# Altium PCB fNIRS_PCB.PcbDoc (part 3 of 3)
Units mil, origin at the board's own origin, x right, y up, seen from the top; angles counter-clockwise.
Board outline 4409.45 x 4409.45 mil, 4 copper layers (Top Layer, Mid Layer 1, Mid Layer 2, Bottom Layer), stack 61.811 mil thick; 194 components, 178 nets, 730 pads, 742 vias.
Unrouted connection lines stored in the file: 493.
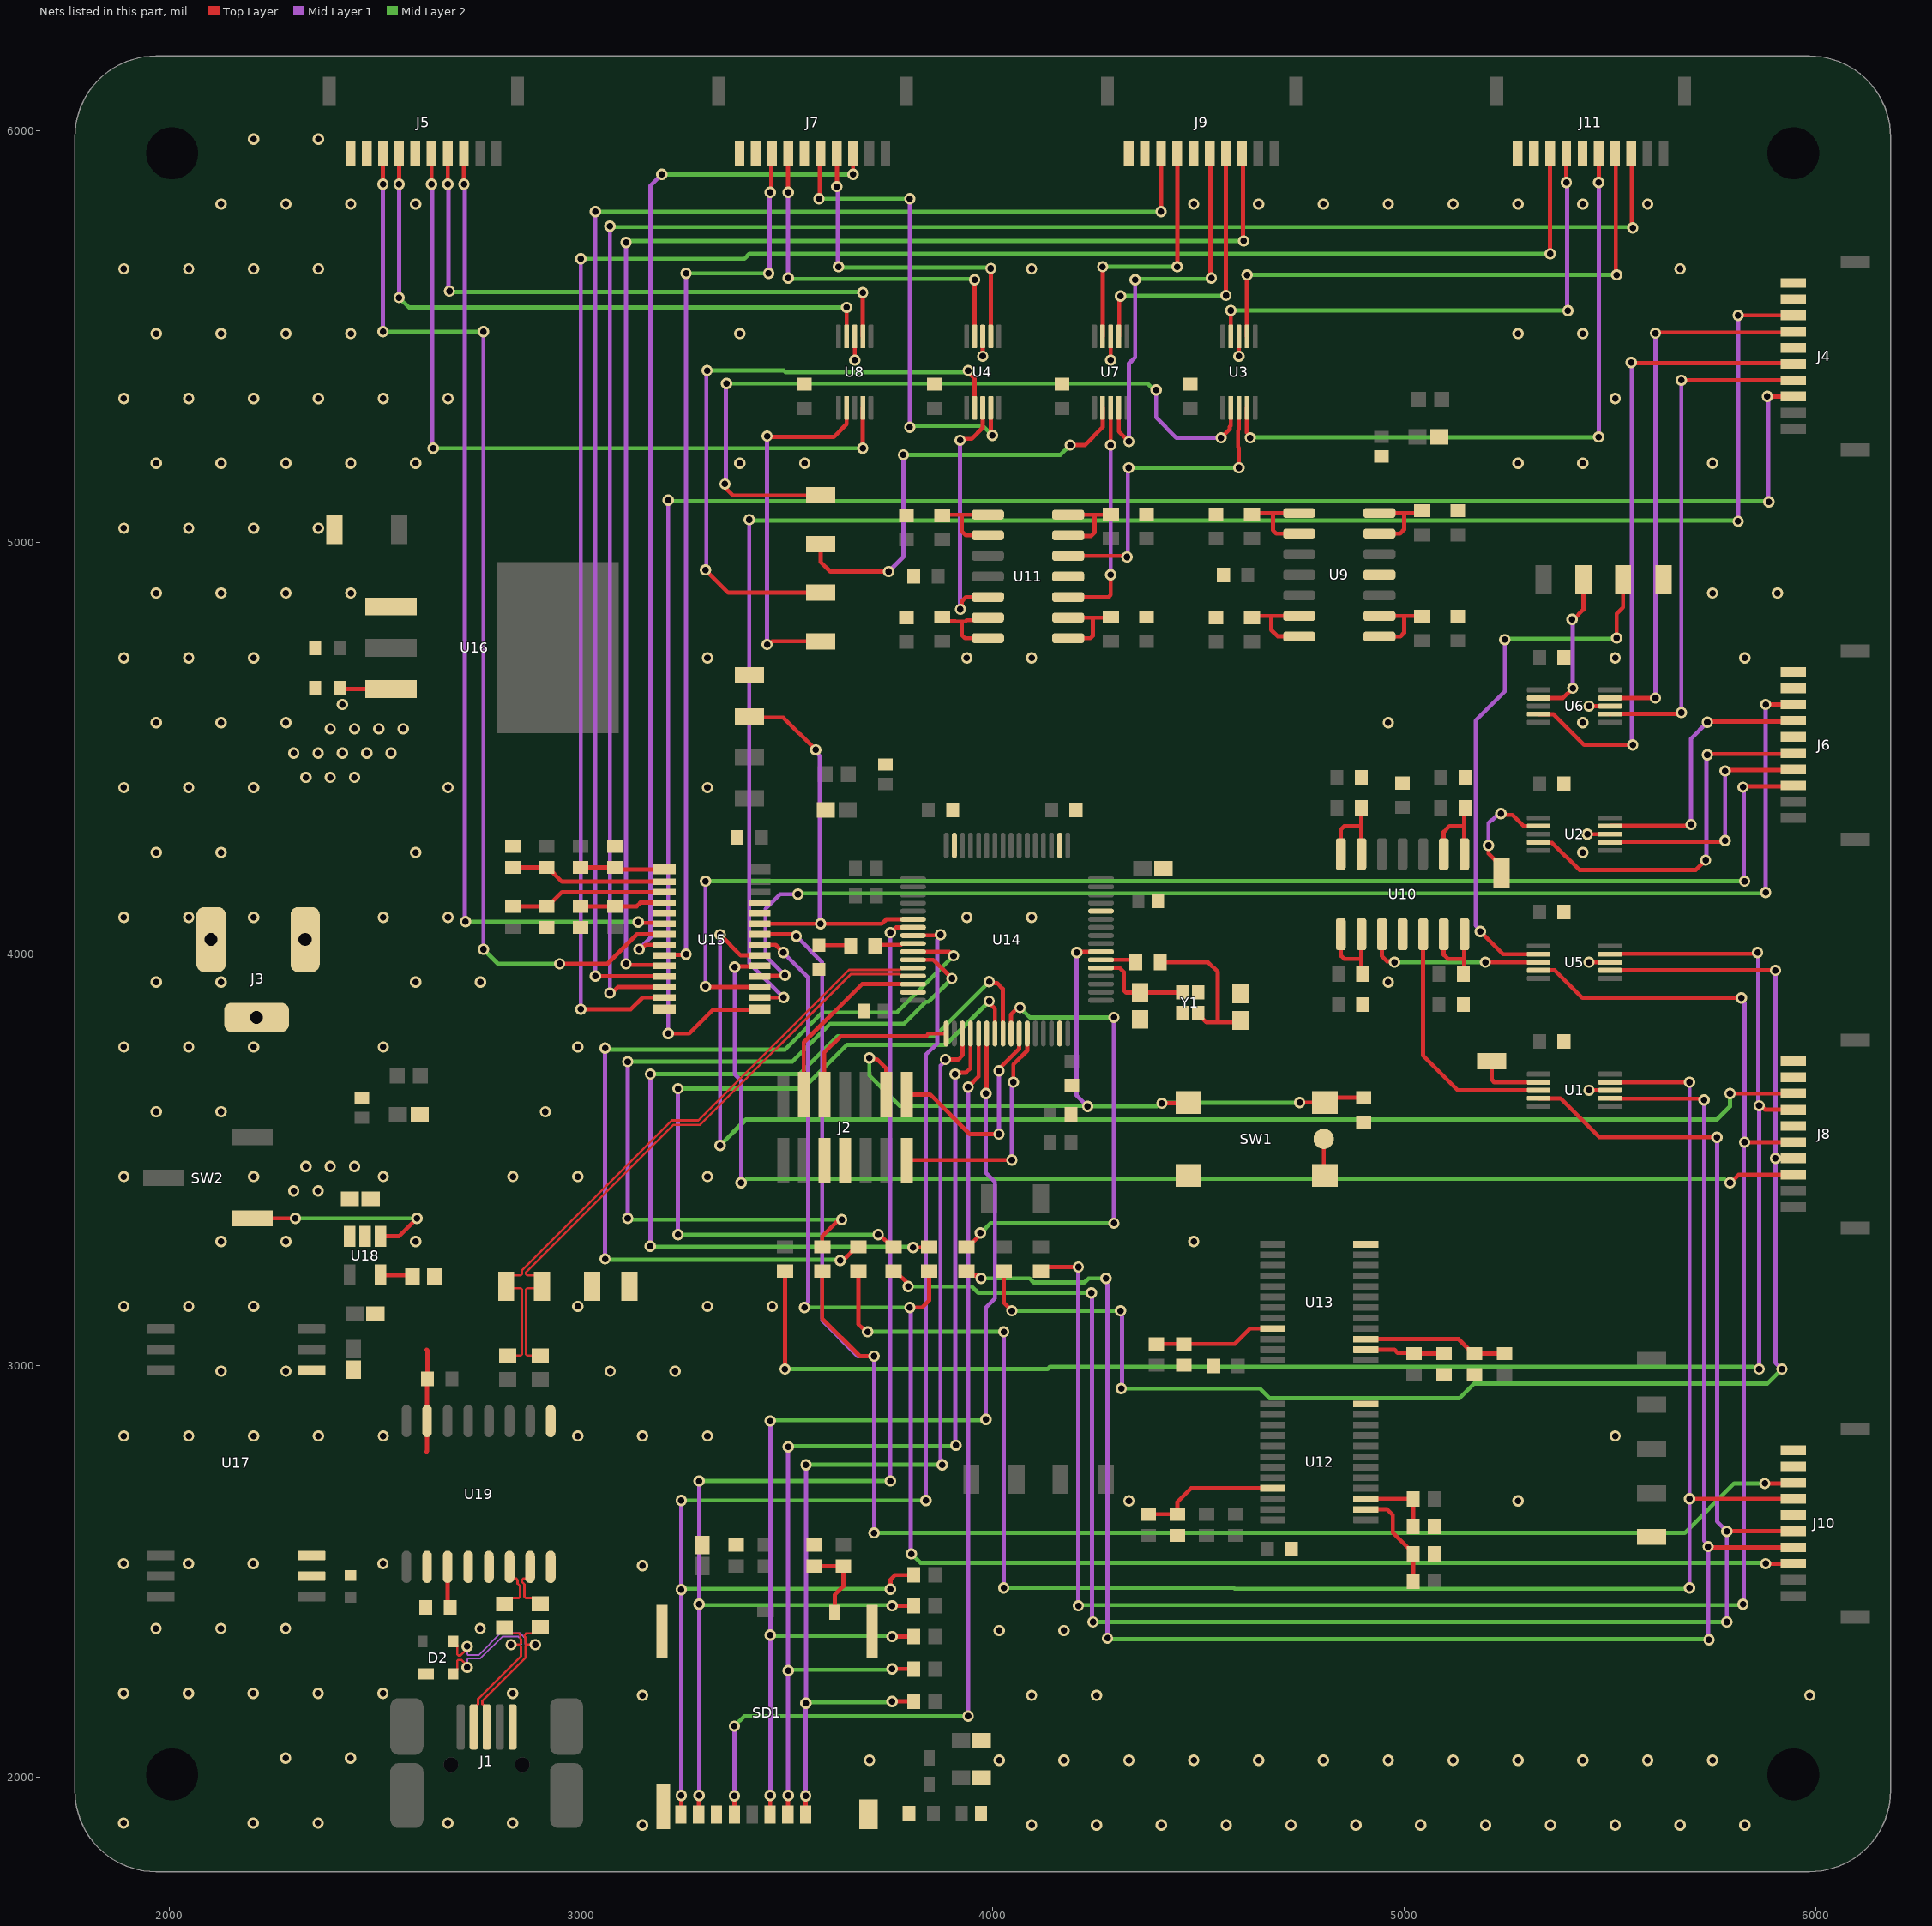
[diagram p5: the nets of this part, all layers, seen from the top]

## Via types
v1: diameter 27.56, hole 15.75, Top Layer to Bottom Layer, tented both sides, 741 vias
v2: diameter 31.5, hole 19.68, Top Layer to Bottom Layer, tented both sides, 1 vias

## Nets (pads, with @x,y where several pads share a name; then routed paths per layer and width w, separated by ;. In a path a pad name is that pad's centre, name@x,y a point inside that pad or via, vN(x,y) a via of type N, cw(c..) or ccw(c..) an arc to the next point about the centre after c; other vN are vias at no path point) (continued)
INB_U_Buffer3: U4.8 U11.5 | length 616
  Top Layer w10: v1(3921.26,5248.03) 3924.62,5251.39 3949.68,5251.39 3976.38,5278.09 U4.8@3976.38,5326.77 ; v1(3922.07,4837.6) 3925.43,4840.96 3925.43,4857.36 3935.39,4867.32 U11.5@3989.17,4867.32
  Mid Layer 1 w10: v1(3921.26,5248.03) 3921.26,4838.4 v1(3922.07,4837.6)
INC_U_Buffer2: U5.8 U10.10 | length 440.1
  Top Layer w10: U10.10@4946.06,4048.23 4946.06,3994.88 4958.15,3982.79 4973.9,3982.79 v1(4976.38,3980.32) ; v1(5196.85,3980.32) U5.8@5326.77,3980.32
  Mid Layer 2 w10: v1(4976.38,3980.32) v1(5196.85,3980.32)
INC_U_Buffer3: U7.8 U11.10 | length 560.2
  Top Layer w10: U11.10@4184.06,4867.32 4184.65,4866.73 4281.54,4866.73 4287.4,4872.59 v1(4287.4,4921.26) ; v1(4287.4,5236.22) U7.8@4287.4,5326.77
  Mid Layer 1 w10: v1(4287.4,4921.26) v1(4287.4,5236.22)
IND_U_Buffer2: U1.8 U10.12 | length 610.5
  Top Layer w10: U10.12@5046.06,4048.23 5046.06,3753.15 5129.92,3669.29 5263.78,3669.29 U1.8@5326.77,3669.29
IND_U_Buffer3: U3.8 U11.12 | length 777.1
  Top Layer w10: U11.12@4184.06,4967.32 4324.02,4967.32 v1(4326.77,4964.57) ; v1(4598.43,5181.1) 4598.42,5229.79 4596.38,5231.84 4596.38,5272.41 4598.42,5274.46 U3.8@4598.42,5326.77
  Mid Layer 1 w10: v1(4326.77,4964.57) 4328.74,4966.54 4328.74,5179.13 v1(4330.71,5181.1)
  Mid Layer 2 w10: v1(4330.71,5181.1) v1(4598.43,5181.1)
MCU_GND: C1.2 C2.2 C3.2 C4.2 C5.2 C6.2 C7.2 C8.2 C9.1 C10.1 C11.1 C12.1 C13.1 C14.1 C15.1 C16.1 C17.1 C18.1 C19.1 C20.1 C21.1 C22.1 C23.1 C24.2 C25.2 C26.2 C27.2 C28.2 C29.2 C30.2 C31.2 C32.2 C33.2 C34.2 C35.2 C37.2 C38.2 C39.2 C40.2 C41.2 C42.2 C43.2 C44.2 C45.2 C46.2 C47.2 C48.2 C49.2 C51.2 D1.1 J2.5 J2.7 J3.2 J3.3 J4.06 J4.09 J4.10 J5.06 J5.09 J5.10 J6.06 J6.09 J6.10 J7.06 J7.09 J7.10 J8.06 J8.09 J8.10 J9.06 J9.09 J9.10 J10.06 J10.09 J10.10 J11.06 J11.09 J11.10 R18.1 R19.1 R20.1 R24.1 R25.1 R26.1 R32.1 R39.1 R40.1 R41.1 R42.1 R43.1 R51.1 R52.1 R55.1 R56.1 R58.1 SD1.6 SD1.11 SD1.12 SD1.13 SD1.14 SW1.3 SW1.4 SW1.5 TP13.1 TP21.1 TP30.1 TP31.1 TP32.1 TP33.1 U1.3 U2.3 U3.3 U4.3 U5.3 U6.3 U7.3 U8.3 U9.11 U10.11 U11.11 U12.12 U13.12 U14.12 U14.18 U14.31 U14.47 U14.63 U15.5 U15.14 U15.24 U15.25 U16.1 U17.12 U18.2 U19.9 U19.15 Y1.2 Y1.4 | length 758.6
  Top Layer w10: 2625.98,2791.34 2625.98,2792.32 2626.97,2793.31 U19.15@2626.97,2866.14 2626.97,2967.52 C51.2@2627.95,2968.5 2627.95,3037.4 2625.98,3039.37 ; v1(3665.35,5442.64) U8.3@3665.35,5500 ; v1(3976.38,5452.01) U4.3@3976.38,5500 ; v1(4287.4,5442.64) U7.3@4287.4,5500 ; v1(4598.42,5452.01) U3.3@4598.42,5500 ; SW1.5@4804.67,3551.18 4804.67,3465.31 SW1.4@4807.28,3462.7 ; v1(5444.88,4291.34) U2.3@5500,4291.34 ; v1(5448.82,3669.29) U1.3@5500,3669.29 ; v1(5448.82,3980.32) U5.3@5500,3980.32 ; v1(5448.82,4602.36) U6.3@5500,4602.36
  other v1: 3150.33,1884.81 4095.21,1884.81 4252.69,1884.81 4410.17,1884.81 4567.65,1884.81 4725.13,1884.81 4882.61,1884.81 5040.09,1884.81 5197.57,1884.81 5355.05,1884.81 5512.53,1884.81 5670.01,1884.81 5827.49,1884.81 3701.51,2042.29 4016.47,2042.29 4173.95,2042.29 4331.43,2042.29 4488.91,2042.29 4646.39,2042.29 4803.87,2042.29 4961.35,2042.29 5118.83,2042.29 5276.31,2042.29 5433.79,2042.29 5591.27,2042.29 5748.75,2042.29 3150.33,2199.77 4095.21,2199.77 4252.69,2199.77 5984.97,2199.77 4016.47,2357.25 4173.95,2357.25 3150.33,2514.73 4331.43,2672.21 5276.31,2672.21 1890.48,2829.69 2047.96,2829.69 2205.44,2829.69 2362.92,2829.69 2520.4,2829.69 2992.84,2829.69 3150.33,2829.69 3307.81,2829.69 5512.53,2829.69 2126.7,2987.17 2284.18,2987.17 3071.58,2987.17 3229.07,2987.17 1890.48,3144.65 2047.96,3144.65 2205.44,3144.65 2992.84,3144.65 3307.81,3144.65 3465.29,3144.65 2126.7,3302.13 2284.18,3302.13 2599.14,3302.13 4488.91,3302.13 1890.48,3459.61 2205.44,3459.61 2520.4,3459.61 2835.36,3459.61 2992.84,3459.61 3307.81,3459.61 1969.22,3617.09 2126.7,3617.09 2914.1,3617.09 1890.48,3774.57 2047.96,3774.57 2205.44,3774.57 2520.4,3774.57 2992.84,3774.57 1969.22,3932.05 2126.7,3932.05 2599.14,3932.05 2756.62,3932.05 4961.35,3932.05 1890.48,4089.53 2047.96,4089.53 2205.44,4089.53 2520.4,4089.53 2677.88,4089.53 3937.73,4089.53 4095.21,4089.53 1969.22,4247.02 2126.7,4247.02 2599.14,4247.02 5433.79,4247.02 1890.48,4404.5 2047.96,4404.5 2205.44,4404.5 2677.88,4404.5 3307.81,4404.5 1969.22,4561.98 2126.7,4561.98 2284.18,4561.98 4961.35,4561.98 5433.79,4561.98 1890.48,4719.46 2047.96,4719.46 2205.44,4719.46 3307.81,4719.46 3937.73,4719.46 4095.21,4719.46 5512.53,4719.46 5827.49,4719.46 1969.22,4876.94 2126.7,4876.94 2284.18,4876.94 2441.66,4876.94 5748.75,4876.94 5906.23,4876.94 1890.48,5034.42 2047.96,5034.42 2205.44,5034.42 2362.92,5034.42 1969.22,5191.9 2126.7,5191.9 2284.18,5191.9 2441.66,5191.9 2599.14,5191.9 3386.55,5191.9 3544.03,5191.9 5276.31,5191.9 5433.79,5191.9 5748.75,5191.9 1890.48,5349.38 2047.96,5349.38 2205.44,5349.38 2362.92,5349.38 2520.4,5349.38 2677.88,5349.38 5512.53,5349.38 1969.22,5506.86 2126.7,5506.86 2284.18,5506.86 2441.66,5506.86 3386.55,5506.86 5276.31,5506.86 5433.79,5506.86 1890.48,5664.34 2047.96,5664.34 2205.44,5664.34 2362.92,5664.34 4095.21,5664.34 5670.01,5664.34 2126.7,5821.82 2284.18,5821.82 2441.66,5821.82 2599.14,5821.82 4488.91,5821.82 4646.39,5821.82 4803.87,5821.82 4961.35,5821.82 5118.83,5821.82 5276.31,5821.82 5433.79,5821.82 5591.27,5821.82 2205.44,5979.3 2362.92,5979.3
MCU_TEST_LED: R34.1 U14.41 | length 92
  Top Layer w10: R34.1@3716.54,4023.62 3717.31,4022.84 3778.26,4022.84 3781.01,4025.59 U14.41@3807.09,4025.59
MUX_IN1_0: J5.04 U8.2 | length 1448.1
  Top Layer w10: v1(2677.17,5870.08) J5.04@2677.17,5944.88 ; U8.2@3685.04,5500 v1(3685.04,5606.3)
  Mid Layer 1 w10: v1(2677.17,5870.08) 2679.13,5868.11 2679.13,5612.2 v1(2681.1,5610.24)
  Mid Layer 2 w10: v1(2681.1,5610.24) 2683.07,5608.27 3683.07,5608.27 v1(3685.04,5606.3)
MUX_IN1_1: J7.04 U4.2 | length 814.2
  Top Layer w10: v1(3622.05,5864.09) J7.04@3622.05,5944.88 ; U4.2@3996.06,5500 v1(3996.06,5665.35)
  Mid Layer 1 w10: v1(3622.05,5864.09) 3624.02,5862.13 3624.02,5671.34 v1(3625.98,5669.37)
  Mid Layer 2 w10: v1(3625.98,5669.37) 3627.95,5667.4 3994.02,5667.4 v1(3996.06,5665.35)
MUX_IN1_2: J9.04 U7.2 | length 701.6
  Top Layer w10: U7.2@4307.09,5500 4307.99,5500.91 4307.99,5595.39 v1(4311.02,5598.43) ; v1(4566.93,5599.81) J9.04@4566.93,5944.88
  Mid Layer 2 w10: v1(4311.02,5598.43) 4311.57,5598.97 4566.08,5598.97 v1(4566.93,5599.81)
MUX_IN1_3: J11.04 U3.2 | length 1344.2
  Top Layer w10: U3.2@4618.11,5500 v1(4618.11,5649.61) ; J11.04@5511.81,5944.88 5513.78,5942.91 5513.78,5651.57 v1(5515.75,5649.61)
  Mid Layer 2 w10: v1(4618.11,5649.61) v1(5515.75,5649.61)
MUX_IN1_4: J4.04 U6.2 | length 1253.6
  Top Layer w10: U6.2@5500,4582.68 5500.91,4583.58 5670.2,4583.58 v1(5673.23,4586.61) ; v1(5673.23,5393.7) J4.04@5944.88,5393.7
  Mid Layer 1 w10: v1(5673.23,4586.61) v1(5673.23,5393.7)
MUX_IN1_5: J6.04 U2.2 | length 617.4
  Top Layer w10: U2.2@5500,4271.65 5500.91,4272.56 5776.5,4272.56 v1(5779.53,4275.59) ; v1(5779.53,4444.88) 5781.5,4446.85 5942.91,4446.85 J6.04@5944.88,4448.82
  Mid Layer 1 w10: v1(5779.53,4275.59) v1(5779.53,4444.88)
MUX_IN1_6: J8.04 R63.1 U5.2 | length 3623.3
  Top Layer w10: R63.1@4027.56,3230.31 4027.56,3153.54 v1(4047.24,3133.86) ; U5.2@5500,3960.63 v1(5901.57,3960.63) ; v1(5901.57,3503.94) J8.04@5944.88,3503.94
  Mid Layer 1 w10: v1(4311.02,3133.86) 4314.38,3130.5 4314.38,3119.8 4314.96,3119.22 4314.96,2946.93 v1(4312.91,2944.88) ; v1(5901.57,3960.63) v1(5901.57,3503.94) 5901.57,3007.87 v1(5917.32,2992.13)
  Mid Layer 2 w10: v1(4047.24,3133.86) v1(4311.02,3133.86) ; v1(4312.91,2944.88) 4649.61,2944.88 4673.23,2921.26 5133.86,2921.26 5169.29,2956.69 5881.89,2956.69 v1(5917.32,2992.13)
MUX_IN1_7: J10.04 R67.1 U1.2 | length 4445.4
  Top Layer w10: R67.1@3937.01,3230.31 3947.76,3219.57 3965.47,3219.57 v1(3972.44,3212.6) ; U1.2@5500,3649.61 5500.91,3648.7 5725.31,3648.7 v1(5728.35,3645.67) ; v1(5738.19,2561.02) 5740.16,2559.06 J10.04@5944.88,2559.06
  Mid Layer 1 w10: v1(4275.59,3212.6) 4278.95,3209.24 4278.95,3198.54 4279.53,3197.96 v1(4279.53,2338.58) ; v1(5728.35,3645.67) 5728.35,2575.62 5738.19,2565.78 5738.19,2336.61 v1(5740.16,2334.65)
  Mid Layer 2 w10: v1(3972.44,3212.6) 4090.16,3212.6 4100.08,3202.68 4223.8,3202.68 4233.72,3212.6 v1(4275.59,3212.6) ; v1(4279.53,2338.58) 4281.5,2336.61 5738.19,2336.61 v1(5740.16,2334.65)
MUX_IN2_0: J5.05 U8.9 | length 1859.9
  Top Layer w10: v1(2637.8,5870.08) J5.05@2637.8,5944.88 ; v1(3685.04,5228.35) U8.9@3685.04,5326.77
  Mid Layer 1 w10: v1(2637.8,5870.08) 2639.76,5868.11 2639.76,5230.31 v1(2641.73,5228.35)
  Mid Layer 2 w10: v1(2641.73,5228.35) v1(3685.04,5228.35)
MUX_IN2_1: J7.05 U4.9 | length 1167.6
  Top Layer w10: v1(3578.74,5834.65) 3580.71,5836.61 3580.71,5942.91 J7.05@3582.68,5944.88 ; U4.9@3996.06,5326.77 3996.06,5268.53 4000,5264.59 v1(4000,5259.84)
  Mid Layer 1 w10: v1(3799.21,5279.53) v1(3799.21,5834.65)
  Mid Layer 2 w10: v1(3578.74,5834.65) 3609.63,5834.65 3609.78,5834.49 3700.36,5834.49 3700.52,5834.65 v1(3799.21,5834.65) ; v1(3799.21,5279.53) 3802.24,5282.56 3977.28,5282.56 v1(4000,5259.84)
MUX_IN2_2: J9.05 U7.9 | length 982.7
  Top Layer w10: U7.9@4307.09,5326.77 4307.09,5269.15 v1(4331.43,5244.81) ; J9.05@4527.56,5944.88 4529.53,5942.91 4529.53,5643.7 v1(4531.5,5641.73)
  Mid Layer 1 w10: v1(4331.43,5244.81) 4331.43,5434.2 4346.46,5449.23 v1(4346.46,5637.87)
  Mid Layer 2 w10: v1(4346.46,5637.87) 4348.27,5639.68 4529.45,5639.68 v1(4531.5,5641.73)
MUX_IN2_3: J11.05 U3.9 | length 1612.5
  Top Layer w10: U3.9@4618.11,5326.77 4618.11,5266.48 4625.98,5258.61 v1(4625.98,5253.86) ; v1(5472.44,5874.02) J11.05@5472.44,5944.88
  Mid Layer 1 w10: v1(5472.44,5255.91) v1(5472.44,5874.02)
  Mid Layer 2 w10: v1(4625.98,5253.86) 4627.01,5254.88 5471.42,5254.88 v1(5472.44,5255.91)
MUX_IN2_4: J4.05 U6.9 | length 1585.4
  Top Layer w10: U6.9@5326.77,4582.68 5362.2,4582.68 5437.01,4507.87 v1(5555.12,4507.87) ; v1(5551.18,5437.01) 5553.15,5435.04 5942.91,5435.04 J4.05@5944.88,5433.07
  Mid Layer 1 w10: v1(5551.18,5437.01) 5553.15,5435.04 5553.15,4509.84 v1(5555.12,4507.87)
MUX_IN2_5: J6.05 U2.9 | length 910.8
  Top Layer w10: U2.9@5326.77,4271.65 5327.68,4270.75 5359.17,4270.75 5425.2,4204.72 5708.66,4204.72 v1(5732.28,4228.35) ; v1(5736.22,4484.25) 5738.19,4486.22 5942.91,4486.22 J6.05@5944.88,4488.19
  Mid Layer 1 w10: v1(5732.28,4228.35) 5734.25,4230.31 5734.25,4482.28 v1(5736.22,4484.25)
MUX_IN2_6: J8.05 R64.1 U5.9 | length 4648.6
  Top Layer w10: R64.1@4118.11,3230.31 4127.95,3240.16 v1(4208.66,3240.16) ; U5.9@5326.77,3960.63 5366.14,3960.63 5433.07,3893.7 v1(5818.9,3893.7) ; v1(5826.77,3543.31) J8.05@5944.88,3543.31
  Mid Layer 1 w10: v1(4208.66,2417.32) v1(4208.66,3240.16) ; v1(5818.9,3893.7) 5818.9,3888.95 5826.77,3881.08 v1(5826.77,3543.31) 5824.8,3541.34 5824.8,2423.23 v1(5822.83,2421.26)
  Mid Layer 2 w10: v1(4208.66,2417.32) 4210.63,2419.29 5820.87,2419.29 v1(5822.83,2421.26)
MUX_IN2_7: J10.05 R68.1 U1.9 | length 4666.6
  Top Layer w10: R68.1@3759.84,3230.31 3763.78,3230.31 3795.28,3198.82 v1(3795.28,3192.91) ; U1.9@5326.77,3649.61 5379.39,3649.61 5473.88,3555.12 v1(5759.84,3555.12) ; v1(5783.46,2598.43) J10.05@5944.88,2598.43
  Mid Layer 1 w10: v1(4240.16,3177.17) 4242.13,3175.2 4242.13,2379.92 v1(4244.09,2377.95) ; v1(5759.84,3555.12) 5759.84,2622.22 5783.46,2598.6 v1(5783.46,2377.95)
  Mid Layer 2 w10: v1(3795.28,3192.91) 3950.26,3192.91 3966,3177.17 v1(4240.16,3177.17) ; v1(4244.09,2377.95) v1(5783.46,2377.95)
MUX_IN3_0: J5.07 U8.4 | length 1517.7
  Top Layer w10: v1(2559.06,5870.08) J5.07@2559.06,5944.88 ; U8.4@3645.67,5500 v1(3645.67,5570.87)
  Mid Layer 1 w10: v1(2559.06,5594.49) v1(2559.06,5870.08)
  Mid Layer 2 w10: v1(2559.06,5594.49) 2582.68,5570.87 v1(3645.67,5570.87)
MUX_IN3_1: J7.07 U4.4 | length 895.3
  Top Layer w10: v1(3503.94,5850.39) J7.07@3503.94,5944.88 ; U4.4@3956.69,5500 v1(3956.69,5637.8)
  Mid Layer 1 w10: v1(3503.94,5641.73) v1(3503.94,5850.39)
  Mid Layer 2 w10: v1(3503.94,5641.73) 3505.91,5639.76 3954.72,5639.76 v1(3956.69,5637.8)
MUX_IN3_2: J9.07 U7.4 | length 626
  Top Layer w10: U7.4@4267.72,5500 v1(4267.72,5669.29) ; v1(4448.82,5669.29) J9.07@4448.82,5944.88
  Mid Layer 2 w10: v1(4267.72,5669.29) v1(4448.82,5669.29)
MUX_IN3_3: J11.07 U3.4 | length 1265.8
  Top Layer w10: U3.4@4578.74,5500 v1(4578.74,5563.29) ; v1(5393.7,5874.02) J11.07@5393.7,5944.88
  Mid Layer 1 w10: v1(5393.7,5874.02) 5395.67,5872.05 5395.67,5564.96 v1(5397.64,5562.99)
  Mid Layer 2 w10: v1(4578.74,5563.29) 4578.89,5563.14 5397.49,5563.14 v1(5397.64,5562.99)
MUX_IN3_4: J4.07 U6.4 | length 1332.3
  Top Layer w10: U6.4@5500,4622.05 v1(5610.24,4622.05) ; v1(5610.24,5507.87) 5612.2,5509.84 5942.91,5509.84 J4.07@5944.88,5511.81
  Mid Layer 1 w10: v1(5610.24,4622.05) v1(5610.24,5507.87)
MUX_IN3_5: J6.07 U2.4 | length 677
  Top Layer w10: U2.4@5500,4311.02 5500.91,4311.93 5693.82,4311.93 v1(5696.85,4314.96) ; v1(5736.22,4562.99) 5738.19,4564.96 5942.91,4564.96 J6.07@5944.88,4566.93
  Mid Layer 1 w10: v1(5696.85,4314.96) 5696.85,4523.62 v1(5736.22,4562.99) v1@5740.16,4562.99
MUX_IN3_6: J8.07 R65.1 U5.4 | length 4069.3
  Top Layer w10: v1(3496.06,2992.13) R65.1@3496.06,3230.31 ; U5.4@5500,4000 5500.91,4000.91 5855.24,4000.91 v1(5858.27,4003.94) ; v1(5862.2,3631.81) 5866.96,3631.81 5876.72,3622.05 J8.07@5944.88,3622.05
  Mid Layer 1 w10: v1(5858.27,4003.94) 5860.24,4001.97 5860.24,3635.83 5862.2,3633.86 v1(5862.2,2992.13)
  Mid Layer 2 w10: v1(3496.06,2992.13) 4133.67,2992.13 4139.66,2998.11 5847.57,2998.11 5850.19,2995.49 5858.85,2995.49 v1(5862.2,2992.13)
MUX_IN3_7: J10.07 R69.1 U1.4 | length 4437.3
  Top Layer w10: R69.1@3674.21,3230.31 3674.21,3101.38 3685.04,3090.55 ; U1.4@5500,3688.98 v1(5692.91,3688.98) ; v1(5692.91,2677.17) J10.07@5944.88,2677.17
  Mid Layer 1 w10: v1(4027.56,2460.63) v1(4027.56,3082.68) ; v1(5692.91,2460.63) v1(5692.91,3688.98)
  Mid Layer 2 w10: v1(3696.85,3082.68) v1(4027.56,3082.68) ; v1(4027.56,2460.63) 4585.94,2460.63 4587.98,2458.58 5690.87,2458.58 v1(5692.91,2460.63)
MUX_INPUT4_U_AnalogMux1: TP1.1 U1.7 | length 161.8
  Top Layer w10.39: TP1.1@5212.6,3740.16 5212.6,3695.07 5218.69,3688.98 U1.7@5326.77,3688.98
MUX_INPUT4_U_AnalogMux2: TP2.1 U2.7 | length 278.9
  Top Layer w10: v1(5204.72,4263.78) 5204.72,4244.09 5236.22,4212.6 TP2.1@5236.22,4196.85 ; v1(5234.8,4341.42) 5238.16,4338.06 5262.86,4338.06 5289.9,4311.02 U2.7@5326.77,4311.02
  Mid Layer 1 w10: v1(5204.72,4263.78) 5204.72,4318.58 5211.8,4325.65 5214.28,4325.65 5230.05,4341.42 v1(5234.8,4341.42)
MUX_INPUT4_U_AnalogMux3: TP3.1 U3.7 | length 1863.5
  Top Layer w10: v1@3350.39,5133.86 3370.08,5114.17 TP3.1@3582.68,5114.17 ; v1(4555.12,5253.86) 4576.01,5274.75 4576.01,5280.74 4578.74,5283.46 U3.7@4578.74,5326.77
  Mid Layer 1 w10: v1(3350.39,5141.73) 3352.36,5143.7 3352.36,5383.86 v1(3354.33,5385.83) ; v1(4397.64,5370.08) 4397.64,5303.15 4446.93,5253.86 v1(4555.12,5253.86)
  Mid Layer 2 w10: v1(3354.33,5385.83) 4377.14,5385.83 4392.89,5370.08 v1(4397.64,5370.08)
MUX_INPUT4_U_AnalogMux4: TP4.1 U4.7 | length 1522.7
  Top Layer w10: v1(3303.15,4933.07) 3358.27,4877.95 TP4.1@3582.68,4877.95 ; v1(3940.94,5417.32) 3940.94,5412.57 3956.69,5396.82 U4.7@3956.69,5326.77
  Mid Layer 1 w10: v1(3303.15,4933.07) 3305.12,4935.04 3305.12,5415.35 v1(3307.09,5417.32)
  Mid Layer 2 w10: v1(3307.09,5417.32) 3493.32,5417.32 3497.61,5413.03 3931.9,5413.03 3936.19,5417.32 v1(3940.94,5417.32)
MUX_INPUT4_U_AnalogMux5: TP5.1 U5.7 | length 1329
  Top Layer w10: v1(5185.04,4055.12) 5240.16,4000 U5.7@5326.77,4000 ; v1(5515.75,4767.72) 5515.75,4826.89 5531.5,4842.64 TP5.1@5531.5,4909.45
  Mid Layer 1 w10: v1(5185.04,4055.12) 5185.04,4057.94 5173.23,4069.76 5173.23,4566.93 5244.09,4637.8 v1(5244.09,4763.78)
  Mid Layer 2 w10: v1(5244.09,4763.78) 5246.06,4765.75 5513.78,4765.75 v1(5515.75,4767.72)
MUX_INPUT4_U_AnalogMux6: TP6.1 U6.7 | length 373.6
  Top Layer w10: U6.7@5326.77,4622.05 5385.83,4622.05 v1(5409.45,4645.67) ; v1(5407.48,4812.99) 5411.42,4812.99 5435.04,4836.61 TP6.1@5435.04,4909.45
  Mid Layer 1 w10: v1@5405.51,4814.96 v1(5407.48,4812.99) 5409.45,4811.02 v1(5409.45,4645.67)
MUX_INPUT4_U_AnalogMux7: TP7.1 U7.7 | length 1075.8
  Top Layer w10: TP7.1@3582.68,4996.06 3582.68,4952.76 3606.3,4929.13 v1(3748.03,4929.13) ; v1(4188.98,5236.22) 4224.41,5236.22 4267.72,5279.53 U7.7@4267.72,5326.77
  Mid Layer 1 w10: v1(3748.03,4929.13) 3783.46,4964.57 v1(3783.46,5212.6)
  Mid Layer 2 w10: v1(3783.46,5212.6) 4165.35,5212.6 v1(4188.98,5236.22)
MUX_INPUT4_U_AnalogMux8: TP8.1 U8.7 | length 885.3
  Top Layer w10: v1(3452.76,4751.97) 3457.51,4751.97 3465.38,4759.84 TP8.1@3582.68,4759.84 ; v1(3452.76,5257.95) 3454.8,5255.91 3614.17,5255.91 3645.67,5287.4 U8.7@3645.67,5326.77
  Mid Layer 1 w10: v1(3452.76,4751.97) v1(3452.76,5257.95)
NetC32_1: C32.1 R33.1 Y1.3 | length 386.4
  Top Layer w10: R33.1@4407.48,3980.32 4523.62,3980.32 4547.24,3956.69 4547.24,3834.65 ; Y1.3@4499.51,3856.79 4499.51,3854.82 4519.69,3834.65 4547.24,3834.65 ; C32.1@4602.36,3838.58 4598.43,3834.65 4547.24,3834.65
NetD1_2: D1.2 R34.2 | length 79.6
  Top Layer w10: D1.2@3578.74,4021.65 3655.51,4021.65 R34.2@3657.48,4023.62
NetR1_1: R1.1 U9.1 U9.2 | length 225.3
  Top Layer w10: R1.1@4629.92,5068.9 4632.28,5071.26 4681.1,5071.26 ; U9.2@4745.08,5021.26 4689.32,5021.26 4681.1,5029.48 4681.1,5071.26 ; U9.1@4745.08,5071.26 4681.1,5071.26
NetR2_1: R2.1 U9.6 U9.7 | length 225.4
  Top Layer w10: R2.1@4629.92,4816.93 4634.25,4821.26 4677.17,4821.26 ; U9.7@4745.08,4771.26 4744.69,4771.65 4692.91,4771.65 4677.17,4787.4 4677.17,4821.26 ; U9.6@4745.08,4821.26 4677.17,4821.26
NetR3_1: R3.1 U9.8 U9.9 | length 208.2
  Top Layer w10: U9.8@4939.96,4771.26 4990.82,4771.26 5000,4780.44 5000,4821.26 ; U9.9@4939.96,4821.26 5000,4821.26 ; R3.1@5043.31,4820.87 5042.91,4821.26 5000,4821.26
NetR4_1: R4.1 U9.13 U9.14 | length 209.7
  Top Layer w10: U9.13@4939.96,5021.26 4989.76,5021.26 5000,5031.5 5000,5071.26 ; U9.14@4939.96,5071.26 5000,5071.26 ; R4.1@5043.31,5076.77 5037.8,5071.26 5000,5071.26
NetR5_1: R5.1 U10.1 U10.2 | length 221.5
  Top Layer w10: U10.2@5096.06,4243.11 5096.06,4296.85 5110.24,4311.02 5146.06,4311.02 ; U10.1@5146.06,4243.11 5146.06,4311.02 ; R5.1@5147.64,4354.33 5146.06,4352.76 5146.06,4311.02
NetR6_1: R6.1 U10.6 U10.7 | length 224.5
  Top Layer w10: U10.7@4846.06,4243.11 4846.06,4302.76 4854.33,4311.02 4896.06,4311.02 ; R6.1@4895.67,4354.33 4896.06,4353.94 4896.06,4311.02 ; U10.6@4896.06,4243.11 4896.06,4311.02
NetR7_1: R7.1 U10.8 U10.9 | length 202.1
  Top Layer w10: U10.8@4846.06,4048.23 4846.06,3996.46 4854.33,3988.19 4896.06,3988.19 ; U10.9@4896.06,4048.23 4896.06,3988.19 ; R7.1@4899.61,3952.76 4896.06,3956.3 4896.06,3988.19
NetR8_1: R8.1 U10.13 U10.14 | length 200.5
  Top Layer w10: U10.13@5096.06,4048.23 5096.06,3998.43 5106.3,3988.19 5146.06,3988.19 ; R8.1@5143.7,3952.76 5146.06,3955.12 5146.06,3988.19 ; U10.14@5146.06,4048.23 5146.06,3988.19